# KiCad board Bongo-Cat-Fidget-Toy-panel.kicad_pcb (continued)
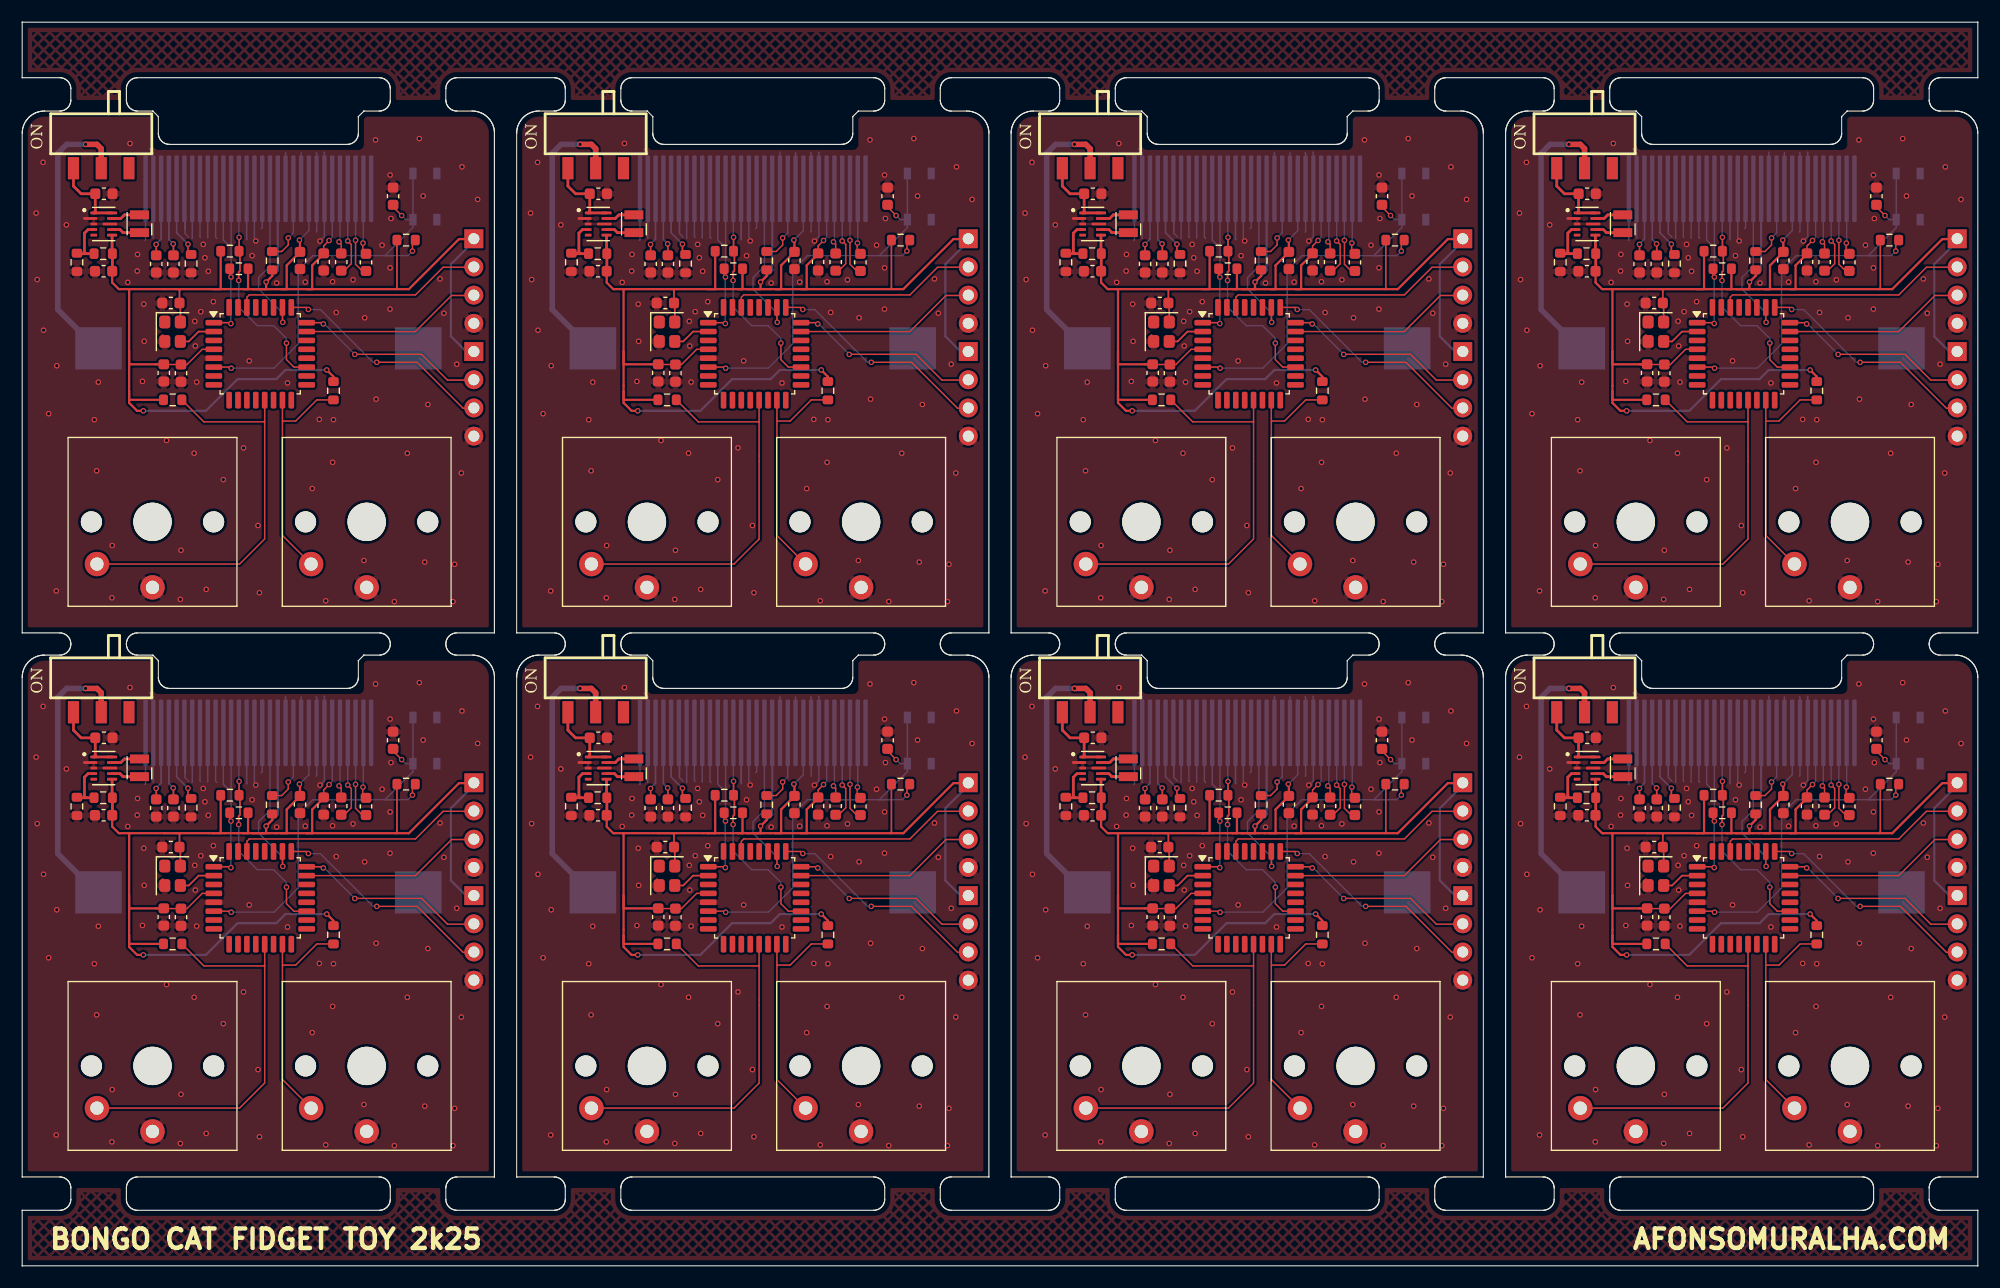
[diagram p0: board, top side]
## Nets
Board_0-3V3: C2#2.1 C3#7.1 C4.1 C6.1 C10#3.2 C11#6.2 J1.6 J1.9 J1.13 J2#7.1 J3#6.1 R1#6.1 R2.1 R6#7.1 R8#2.1 R12.2 R13#4.2 R101#3.2 U1#3.4 U101#6.6 Y1#7.4
Board_0-/BS1: J1.11 R101#3.1
Board_0-/OLED_RST: J1.14 U1#3.26
Board_0-/RST: C5#2.1 R8#2.2 SW3.3 SW3.4 U1#3.6
Board_0-/SCL: J1.18 R13#4.1 U1#3.19
Board_0-/SDA: J1.19 J1.20 R12.1 U1#3.1
Board_0-/SW1: R1#6.2 SW1.2 U1#3.13
Board_0-/SW2: R2.2 SW2#6.2 U1#3.15
Board_0-/SWCLK: J2#7.3 U1#3.25
Board_0-/SWDIO: J2#7.2 U1#3.24
Board_0-/UART_RX: J3#6.3 U1#3.23
Board_0-/UART_TX: J3#6.2 U1#3.30
Board_0-/XTAL_IN: U1#3.2 Y1#7.3
Board_0-GND: BT1#4.2 C1#7.2 C2#2.2 C3#7.2 C4.2 C5#2.2 C6.2 C10#3.1 C11#6.1 C12#5.1 C13#5.1 J1.7 J1.8 J1.10 J1.12 J1.15 J1.16 J1.17 J1.21 J1.22 J1.23 J1.24 J1.25 J1.29 J1.30 J2#7.4 J3#6.4 R4#6.2 R11#3.1 SW1.1 SW2#6.1 SW3.1 SW3.2 U1#3.5 U101#6.2 U101#6.3 U101#6.8 Y1#7.2
Board_0-Net-(BT1-+): BT1#4.1 SW5#2.2
Board_0-Net-(J1-Pin_2): C9#2.2 J1.2
Board_0-Net-(J1-Pin_3): C9#2.1 J1.3
Board_0-Net-(J1-Pin_4): C8.2 J1.4
Board_0-Net-(J1-Pin_5): C8.1 J1.5
Board_0-Net-(J1-Pin_26): J1.26 R11#3.2
Board_0-Net-(J1-Pin_27): C12#5.2 J1.27
Board_0-Net-(J1-Pin_28): C13#5.2 J1.28
Board_0-Net-(SW5-C): C1#7.1 SW5#2.1 U101#6.1 U101#6.10
Board_0-Net-(U101-FB): R4#6.1 R6#7.2 U101#6.4
Board_0-Net-(U101-L1): L102#3.1 U101#6.9
Board_0-Net-(U101-L2): L102#3.2 U101#6.7
Board_0-unconnected-(J1-Pin_1-Pad1): J1.1
Board_0-unconnected-(SW5-A-Pad3): SW5#2.3
Board_0-unconnected-(U1-PA0-Pad7): U1#3.7
Board_0-unconnected-(U1-PA1-Pad8): U1#3.8
Board_0-unconnected-(U1-PA2-Pad9): U1#3.9
Board_0-unconnected-(U1-PA3-Pad10): U1#3.10
Board_0-unconnected-(U1-PA4-Pad11): U1#3.11
Board_0-unconnected-(U1-PA5-Pad12): U1#3.12
Board_0-unconnected-(U1-PA7-Pad14): U1#3.14
Board_0-unconnected-(U1-PA8-Pad18): U1#3.18
Board_0-unconnected-(U1-PA10/NC-Pad21): U1#3.21
Board_0-unconnected-(U1-PA11/PA9-Pad22): U1#3.22
Board_0-unconnected-(U1-PB1-Pad16): U1#3.16
Board_0-unconnected-(U1-PB2-Pad17): U1#3.17
Board_0-unconnected-(U1-PB3-Pad27): U1#3.27
Board_0-unconnected-(U1-PB4-Pad28): U1#3.28
Board_0-unconnected-(U1-PB5-Pad29): U1#3.29
Board_0-unconnected-(U1-PB7-Pad31): U1#3.31
Board_0-unconnected-(U1-PB8-Pad32): U1#3.32
Board_0-unconnected-(U1-PC6-Pad20): U1#3.20
Board_0-unconnected-(U1-PC15-Pad3): U1#3.3
Board_0-unconnected-(U101-PG-Pad5): U101#6.5
Board_0-unconnected-(Y1-Pad1): Y1#7.1
Board_1-3V3: C2#7.1 C3#3.1 C4#7.1 C6#2.1 C10#2.2 C11#4.2 J1#6.6 J1#6.9 J1#6.13 J2#4.1 J3#7.1 R1#5.1 R2#4.1 R6#3.1 R8#7.1 R12#7.2 R13#8.2 R101#5.2 U1#6.4 U101#4.6 Y1#5.4
Board_1-/BS1: J1#6.11 R101#5.1
Board_1-/OLED_RST: J1#6.14 U1#6.26
Board_1-/RST: C5#4.1 R8#7.2 SW3#4.3 SW3#4.4 U1#6.6
Board_1-/SCL: J1#6.18 R13#8.1 U1#6.19
Board_1-/SDA: J1#6.19 J1#6.20 R12#7.1 U1#6.1
Board_1-/SW1: R1#5.2 SW1#5.2 U1#6.13
Board_1-/SW2: R2#4.2 SW2.2 U1#6.15
Board_1-/SWCLK: J2#4.3 U1#6.25
Board_1-/SWDIO: J2#4.2 U1#6.24
Board_1-/UART_RX: J3#7.3 U1#6.23
Board_1-/UART_TX: J3#7.2 U1#6.30
Board_1-/XTAL_IN: U1#6.2 Y1#5.3
Board_1-GND: BT1#8.2 C1#8.2 C2#7.2 C3#3.2 C4#7.2 C5#4.2 C6#2.2 C10#2.1 C11#4.1 C12#7.1 C13#2.1 J1#6.7 J1#6.8 J1#6.10 J1#6.12 J1#6.15 J1#6.16 J1#6.17 J1#6.21 J1#6.22 J1#6.23 J1#6.24 J1#6.25 J1#6.29 J1#6.30 J2#4.4 J3#7.4 R4#7.2 R11#7.1 SW1#5.1 SW2.1 SW3#4.1 SW3#4.2 U1#6.5 U101#4.2 U101#4.3 U101#4.8 Y1#5.2
Board_1-Net-(BT1-+): BT1#8.1 SW5#4.2
Board_1-Net-(J1-Pin_2): C9#7.2 J1#6.2
Board_1-Net-(J1-Pin_3): C9#7.1 J1#6.3
Board_1-Net-(J1-Pin_4): C8#7.2 J1#6.4
Board_1-Net-(J1-Pin_5): C8#7.1 J1#6.5
Board_1-Net-(J1-Pin_26): J1#6.26 R11#7.2
Board_1-Net-(J1-Pin_27): C12#7.2 J1#6.27
Board_1-Net-(J1-Pin_28): C13#2.2 J1#6.28
Board_1-Net-(SW5-C): C1#8.1 SW5#4.1 U101#4.1 U101#4.10
Board_1-Net-(U101-FB): R4#7.1 R6#3.2 U101#4.4
Board_1-Net-(U101-L1): L102#4.1 U101#4.9
Board_1-Net-(U101-L2): L102#4.2 U101#4.7
Board_1-unconnected-(J1-Pin_1-Pad1): J1#6.1
Board_1-unconnected-(SW5-A-Pad3): SW5#4.3
Board_1-unconnected-(U1-PA0-Pad7): U1#6.7
Board_1-unconnected-(U1-PA1-Pad8): U1#6.8
Board_1-unconnected-(U1-PA2-Pad9): U1#6.9
Board_1-unconnected-(U1-PA3-Pad10): U1#6.10
Board_1-unconnected-(U1-PA4-Pad11): U1#6.11
Board_1-unconnected-(U1-PA5-Pad12): U1#6.12
Board_1-unconnected-(U1-PA7-Pad14): U1#6.14
Board_1-unconnected-(U1-PA8-Pad18): U1#6.18
Board_1-unconnected-(U1-PA10/NC-Pad21): U1#6.21
Board_1-unconnected-(U1-PA11/PA9-Pad22): U1#6.22
Board_1-unconnected-(U1-PB1-Pad16): U1#6.16
Board_1-unconnected-(U1-PB2-Pad17): U1#6.17
Board_1-unconnected-(U1-PB3-Pad27): U1#6.27
Board_1-unconnected-(U1-PB4-Pad28): U1#6.28
Board_1-unconnected-(U1-PB5-Pad29): U1#6.29
Board_1-unconnected-(U1-PB7-Pad31): U1#6.31
Board_1-unconnected-(U1-PB8-Pad32): U1#6.32
Board_1-unconnected-(U1-PC6-Pad20): U1#6.20
Board_1-unconnected-(U1-PC15-Pad3): U1#6.3
Board_1-unconnected-(U101-PG-Pad5): U101#4.5
Board_1-unconnected-(Y1-Pad1): Y1#5.1
Board_2-3V3: C2.1 C3#8.1 C4#3.1 C6#7.1 C10#7.2 C11#5.2 J1#7.6 J1#7.9 J1#7.13 J2#2.1 J3#2.1 R1#4.1 R2#5.1 R6#2.1 R8.1 R12#5.2 R13#5.2 R101#2.2 U1#5.4 U101#8.6 Y1#4.4
Board_2-/BS1: J1#7.11 R101#2.1
Board_2-/OLED_RST: J1#7.14 U1#5.26
Board_2-/RST: C5#5.1 R8.2 SW3#7.3 SW3#7.4 U1#5.6
Board_2-/SCL: J1#7.18 R13#5.1 U1#5.19
Board_2-/SDA: J1#7.19 J1#7.20 R12#5.1 U1#5.1
Board_2-/SW1: R1#4.2 SW1#7.2 U1#5.13
Board_2-/SW2: R2#5.2 SW2#7.2 U1#5.15
Board_2-/SWCLK: J2#2.3 U1#5.25
Board_2-/SWDIO: J2#2.2 U1#5.24
Board_2-/UART_RX: J3#2.3 U1#5.23
Board_2-/UART_TX: J3#2.2 U1#5.30
Board_2-/XTAL_IN: U1#5.2 Y1#4.3
Board_2-GND: BT1#3.2 C1#3.2 C2.2 C3#8.2 C4#3.2 C5#5.2 C6#7.2 C10#7.1 C11#5.1 C12.1 C13#8.1 J1#7.7 J1#7.8 J1#7.10 J1#7.12 J1#7.15 J1#7.16 J1#7.17 J1#7.21 J1#7.22 J1#7.23 J1#7.24 J1#7.25 J1#7.29 J1#7.30 J2#2.4 J3#2.4 R4#3.2 R11#6.1 SW1#7.1 SW2#7.1 SW3#7.1 SW3#7.2 U1#5.5 U101#8.2 U101#8.3 U101#8.8 Y1#4.2
Board_2-Net-(BT1-+): BT1#3.1 SW5.2
Board_2-Net-(J1-Pin_2): C9.2 J1#7.2
Board_2-Net-(J1-Pin_3): C9.1 J1#7.3
Board_2-Net-(J1-Pin_4): C8#2.2 J1#7.4
Board_2-Net-(J1-Pin_5): C8#2.1 J1#7.5
Board_2-Net-(J1-Pin_26): J1#7.26 R11#6.2
Board_2-Net-(J1-Pin_27): C12.2 J1#7.27
Board_2-Net-(J1-Pin_28): C13#8.2 J1#7.28
Board_2-Net-(SW5-C): C1#3.1 SW5.1 U101#8.1 U101#8.10
Board_2-Net-(U101-FB): R4#3.1 R6#2.2 U101#8.4
Board_2-Net-(U101-L1): L102#8.1 U101#8.9
Board_2-Net-(U101-L2): L102#8.2 U101#8.7
Board_2-unconnected-(J1-Pin_1-Pad1): J1#7.1
Board_2-unconnected-(SW5-A-Pad3): SW5.3
Board_2-unconnected-(U1-PA0-Pad7): U1#5.7
Board_2-unconnected-(U1-PA1-Pad8): U1#5.8
Board_2-unconnected-(U1-PA2-Pad9): U1#5.9
Board_2-unconnected-(U1-PA3-Pad10): U1#5.10
Board_2-unconnected-(U1-PA4-Pad11): U1#5.11
Board_2-unconnected-(U1-PA5-Pad12): U1#5.12
Board_2-unconnected-(U1-PA7-Pad14): U1#5.14
Board_2-unconnected-(U1-PA8-Pad18): U1#5.18
Board_2-unconnected-(U1-PA10/NC-Pad21): U1#5.21
Board_2-unconnected-(U1-PA11/PA9-Pad22): U1#5.22
Board_2-unconnected-(U1-PB1-Pad16): U1#5.16
Board_2-unconnected-(U1-PB2-Pad17): U1#5.17
Board_2-unconnected-(U1-PB3-Pad27): U1#5.27
Board_2-unconnected-(U1-PB4-Pad28): U1#5.28
Board_2-unconnected-(U1-PB5-Pad29): U1#5.29
Board_2-unconnected-(U1-PB7-Pad31): U1#5.31
Board_2-unconnected-(U1-PB8-Pad32): U1#5.32
Board_2-unconnected-(U1-PC6-Pad20): U1#5.20
Board_2-unconnected-(U1-PC15-Pad3): U1#5.3
Board_2-unconnected-(U101-PG-Pad5): U101#8.5
Board_2-unconnected-(Y1-Pad1): Y1#4.1
Board_3-3V3: C2#8.1 C3#5.1 C4#2.1 C6#8.1 C10#8.2 C11.2 J1#5.6 J1#5.9 J1#5.13 J2.1 J3#8.1 R1#2.1 R2#3.1 R6#4.1 R8#4.1 R12#3.2 R13#7.2 R101#4.2 U1#4.4 U101.6 Y1#6.4
Board_3-/BS1: J1#5.11 R101#4.1
Board_3-/OLED_RST: J1#5.14 U1#4.26
Board_3-/RST: C5#8.1 R8#4.2 SW3#2.3 SW3#2.4 U1#4.6
Board_3-/SCL: J1#5.18 R13#7.1 U1#4.19
Board_3-/SDA: J1#5.19 J1#5.20 R12#3.1 U1#4.1
Board_3-/SW1: R1#2.2 SW1#6.2 U1#4.13
Board_3-/SW2: R2#3.2 SW2#3.2 U1#4.15
Board_3-/SWCLK: J2.3 U1#4.25
Board_3-/SWDIO: J2.2 U1#4.24
Board_3-/UART_RX: J3#8.3 U1#4.23
Board_3-/UART_TX: J3#8.2 U1#4.30
Board_3-/XTAL_IN: U1#4.2 Y1#6.3
Board_3-GND: BT1#5.2 C1#4.2 C2#8.2 C3#5.2 C4#2.2 C5#8.2 C6#8.2 C10#8.1 C11.1 C12#6.1 C13.1 J1#5.7 J1#5.8 J1#5.10 J1#5.12 J1#5.15 J1#5.16 J1#5.17 J1#5.21 J1#5.22 J1#5.23 J1#5.24 J1#5.25 J1#5.29 J1#5.30 J2.4 J3#8.4 R4#2.2 R11#2.1 SW1#6.1 SW2#3.1 SW3#2.1 SW3#2.2 U1#4.5 U101.2 U101.3 U101.8 Y1#6.2
Board_3-Net-(BT1-+): BT1#5.1 SW5#5.2
Board_3-Net-(J1-Pin_2): C9#4.2 J1#5.2
Board_3-Net-(J1-Pin_3): C9#4.1 J1#5.3
Board_3-Net-(J1-Pin_4): C8#8.2 J1#5.4
Board_3-Net-(J1-Pin_5): C8#8.1 J1#5.5
Board_3-Net-(J1-Pin_26): J1#5.26 R11#2.2
Board_3-Net-(J1-Pin_27): C12#6.2 J1#5.27
Board_3-Net-(J1-Pin_28): C13.2 J1#5.28
Board_3-Net-(SW5-C): C1#4.1 SW5#5.1 U101.1 U101.10
Board_3-Net-(U101-FB): R4#2.1 R6#4.2 U101.4
Board_3-Net-(U101-L1): L102#5.1 U101.9
Board_3-Net-(U101-L2): L102#5.2 U101.7
Board_3-unconnected-(J1-Pin_1-Pad1): J1#5.1
Board_3-unconnected-(SW5-A-Pad3): SW5#5.3
Board_3-unconnected-(U1-PA0-Pad7): U1#4.7
Board_3-unconnected-(U1-PA1-Pad8): U1#4.8
Board_3-unconnected-(U1-PA2-Pad9): U1#4.9
Board_3-unconnected-(U1-PA3-Pad10): U1#4.10
Board_3-unconnected-(U1-PA4-Pad11): U1#4.11
Board_3-unconnected-(U1-PA5-Pad12): U1#4.12
Board_3-unconnected-(U1-PA7-Pad14): U1#4.14
Board_3-unconnected-(U1-PA8-Pad18): U1#4.18
Board_3-unconnected-(U1-PA10/NC-Pad21): U1#4.21
Board_3-unconnected-(U1-PA11/PA9-Pad22): U1#4.22
Board_3-unconnected-(U1-PB1-Pad16): U1#4.16
Board_3-unconnected-(U1-PB2-Pad17): U1#4.17
Board_3-unconnected-(U1-PB3-Pad27): U1#4.27
Board_3-unconnected-(U1-PB4-Pad28): U1#4.28
Board_3-unconnected-(U1-PB5-Pad29): U1#4.29
Board_3-unconnected-(U1-PB7-Pad31): U1#4.31
Board_3-unconnected-(U1-PB8-Pad32): U1#4.32
Board_3-unconnected-(U1-PC6-Pad20): U1#4.20
Board_3-unconnected-(U1-PC15-Pad3): U1#4.3
Board_3-unconnected-(U101-PG-Pad5): U101.5
Board_3-unconnected-(Y1-Pad1): Y1#6.1
Board_4-3V3: C2#3.1 C3#2.1 C4#4.1 C6#3.1 C10#4.2 C11#3.2 J1#3.6 J1#3.9 J1#3.13 J2#8.1 J3#5.1 R1#3.1 R2#8.1 R6#6.1 R8#5.1 R12#6.2 R13#2.2 R101.2 U1#2.4 U101#2.6 Y1#8.4
Board_4-/BS1: J1#3.11 R101.1
Board_4-/OLED_RST: J1#3.14 U1#2.26
Board_4-/RST: C5.1 R8#5.2 SW3#5.3 SW3#5.4 U1#2.6
Board_4-/SCL: J1#3.18 R13#2.1 U1#2.19
Board_4-/SDA: J1#3.19 J1#3.20 R12#6.1 U1#2.1
Board_4-/SW1: R1#3.2 SW1#8.2 U1#2.13
Board_4-/SW2: R2#8.2 SW2#2.2 U1#2.15
Board_4-/SWCLK: J2#8.3 U1#2.25
Board_4-/SWDIO: J2#8.2 U1#2.24
Board_4-/UART_RX: J3#5.3 U1#2.23
Board_4-/UART_TX: J3#5.2 U1#2.30
Board_4-/XTAL_IN: U1#2.2 Y1#8.3
Board_4-GND: BT1#7.2 C1#6.2 C2#3.2 C3#2.2 C4#4.2 C5.2 C6#3.2 C10#4.1 C11#3.1 C12#2.1 C13#6.1 J1#3.7 J1#3.8 J1#3.10 J1#3.12 J1#3.15 J1#3.16 J1#3.17 J1#3.21 J1#3.22 J1#3.23 J1#3.24 J1#3.25 J1#3.29 J1#3.30 J2#8.4 J3#5.4 R4.2 R11.1 SW1#8.1 SW2#2.1 SW3#5.1 SW3#5.2 U1#2.5 U101#2.2 U101#2.3 U101#2.8 Y1#8.2
Board_4-Net-(BT1-+): BT1#7.1 SW5#7.2
Board_4-Net-(J1-Pin_2): C9#6.2 J1#3.2
Board_4-Net-(J1-Pin_3): C9#6.1 J1#3.3
Board_4-Net-(J1-Pin_4): C8#3.2 J1#3.4
Board_4-Net-(J1-Pin_5): C8#3.1 J1#3.5
Board_4-Net-(J1-Pin_26): J1#3.26 R11.2
Board_4-Net-(J1-Pin_27): C12#2.2 J1#3.27
Board_4-Net-(J1-Pin_28): C13#6.2 J1#3.28
Board_4-Net-(SW5-C): C1#6.1 SW5#7.1 U101#2.1 U101#2.10
Board_4-Net-(U101-FB): R4.1 R6#6.2 U101#2.4
Board_4-Net-(U101-L1): L102#6.1 U101#2.9
Board_4-Net-(U101-L2): L102#6.2 U101#2.7
Board_4-unconnected-(J1-Pin_1-Pad1): J1#3.1
Board_4-unconnected-(SW5-A-Pad3): SW5#7.3
Board_4-unconnected-(U1-PA0-Pad7): U1#2.7
Board_4-unconnected-(U1-PA1-Pad8): U1#2.8
Board_4-unconnected-(U1-PA2-Pad9): U1#2.9
Board_4-unconnected-(U1-PA3-Pad10): U1#2.10
Board_4-unconnected-(U1-PA4-Pad11): U1#2.11
Board_4-unconnected-(U1-PA5-Pad12): U1#2.12
Board_4-unconnected-(U1-PA7-Pad14): U1#2.14
Board_4-unconnected-(U1-PA8-Pad18): U1#2.18
Board_4-unconnected-(U1-PA10/NC-Pad21): U1#2.21
Board_4-unconnected-(U1-PA11/PA9-Pad22): U1#2.22
Board_4-unconnected-(U1-PB1-Pad16): U1#2.16
Board_4-unconnected-(U1-PB2-Pad17): U1#2.17
Board_4-unconnected-(U1-PB3-Pad27): U1#2.27
Board_4-unconnected-(U1-PB4-Pad28): U1#2.28
Board_4-unconnected-(U1-PB5-Pad29): U1#2.29
Board_4-unconnected-(U1-PB7-Pad31): U1#2.31
Board_4-unconnected-(U1-PB8-Pad32): U1#2.32
Board_4-unconnected-(U1-PC6-Pad20): U1#2.20
Board_4-unconnected-(U1-PC15-Pad3): U1#2.3
Board_4-unconnected-(U101-PG-Pad5): U101#2.5
Board_4-unconnected-(Y1-Pad1): Y1#8.1
Board_5-3V3: C2#5.1 C3.1 C4#5.1 C6#4.1 C10.2 C11#8.2 J1#4.6 J1#4.9 J1#4.13 J2#6.1 J3.1 R1#8.1 R2#2.1 R6#8.1 R8#8.1 R12#2.2 R13.2 R101#7.2 U1#7.4 U101#5.6 Y1.4
Board_5-/BS1: J1#4.11 R101#7.1
Board_5-/OLED_RST: J1#4.14 U1#7.26
Board_5-/RST: C5#3.1 R8#8.2 SW3#3.3 SW3#3.4 U1#7.6
Board_5-/SCL: J1#4.18 R13.1 U1#7.19
Board_5-/SDA: J1#4.19 J1#4.20 R12#2.1 U1#7.1
Board_5-/SW1: R1#8.2 SW1#4.2 U1#7.13
Board_5-/SW2: R2#2.2 SW2#5.2 U1#7.15
Board_5-/SWCLK: J2#6.3 U1#7.25
Board_5-/SWDIO: J2#6.2 U1#7.24
Board_5-/UART_RX: J3.3 U1#7.23
Board_5-/UART_TX: J3.2 U1#7.30
Board_5-/XTAL_IN: U1#7.2 Y1.3
Board_5-GND: BT1#6.2 C1#2.2 C2#5.2 C3.2 C4#5.2 C5#3.2 C6#4.2 C10.1 C11#8.1 C12#8.1 C13#3.1 J1#4.7 J1#4.8 J1#4.10 J1#4.12 J1#4.15 J1#4.16 J1#4.17 J1#4.21 J1#4.22 J1#4.23 J1#4.24 J1#4.25 J1#4.29 J1#4.30 J2#6.4 J3.4 R4#4.2 R11#4.1 SW1#4.1 SW2#5.1 SW3#3.1 SW3#3.2 U1#7.5 U101#5.2 U101#5.3 U101#5.8 Y1.2
Board_5-Net-(BT1-+): BT1#6.1 SW5#6.2
Board_5-Net-(J1-Pin_2): C9#3.2 J1#4.2
Board_5-Net-(J1-Pin_3): C9#3.1 J1#4.3
Board_5-Net-(J1-Pin_4): C8#4.2 J1#4.4
Board_5-Net-(J1-Pin_5): C8#4.1 J1#4.5
Board_5-Net-(J1-Pin_26): J1#4.26 R11#4.2
Board_5-Net-(J1-Pin_27): C12#8.2 J1#4.27
Board_5-Net-(J1-Pin_28): C13#3.2 J1#4.28
Board_5-Net-(SW5-C): C1#2.1 SW5#6.1 U101#5.1 U101#5.10
Board_5-Net-(U101-FB): R4#4.1 R6#8.2 U101#5.4
Board_5-Net-(U101-L1): L102#7.1 U101#5.9
Board_5-Net-(U101-L2): L102#7.2 U101#5.7
Board_5-unconnected-(J1-Pin_1-Pad1): J1#4.1
Board_5-unconnected-(SW5-A-Pad3): SW5#6.3
Board_5-unconnected-(U1-PA0-Pad7): U1#7.7
Board_5-unconnected-(U1-PA1-Pad8): U1#7.8
Board_5-unconnected-(U1-PA2-Pad9): U1#7.9
Board_5-unconnected-(U1-PA3-Pad10): U1#7.10
Board_5-unconnected-(U1-PA4-Pad11): U1#7.11
Board_5-unconnected-(U1-PA5-Pad12): U1#7.12
Board_5-unconnected-(U1-PA7-Pad14): U1#7.14
Board_5-unconnected-(U1-PA8-Pad18): U1#7.18
Board_5-unconnected-(U1-PA10/NC-Pad21): U1#7.21
Board_5-unconnected-(U1-PA11/PA9-Pad22): U1#7.22
Board_5-unconnected-(U1-PB1-Pad16): U1#7.16
Board_5-unconnected-(U1-PB2-Pad17): U1#7.17
Board_5-unconnected-(U1-PB3-Pad27): U1#7.27
Board_5-unconnected-(U1-PB4-Pad28): U1#7.28
Board_5-unconnected-(U1-PB5-Pad29): U1#7.29
Board_5-unconnected-(U1-PB7-Pad31): U1#7.31
Board_5-unconnected-(U1-PB8-Pad32): U1#7.32
Board_5-unconnected-(U1-PC6-Pad20): U1#7.20
Board_5-unconnected-(U1-PC15-Pad3): U1#7.3
Board_5-unconnected-(U101-PG-Pad5): U101#5.5
Board_5-unconnected-(Y1-Pad1): Y1.1
Board_6-3V3: C2#4.1 C3#6.1 C4#8.1 C6#6.1 C10#5.2 C11#2.2 J1#2.6 J1#2.9 J1#2.13 J2#3.1 J3#4.1 R1#7.1 R2#7.1 R6.1 R8#3.1 R12#8.2 R13#6.2 R101#8.2 U1#8.4 U101#7.6 Y1#2.4
Board_6-/BS1: J1#2.11 R101#8.1
Board_6-/OLED_RST: J1#2.14 U1#8.26
Board_6-/RST: C5#7.1 R8#3.2 SW3#8.3 SW3#8.4 U1#8.6
Board_6-/SCL: J1#2.18 R13#6.1 U1#8.19
Board_6-/SDA: J1#2.19 J1#2.20 R12#8.1 U1#8.1
Board_6-/SW1: R1#7.2 SW1#3.2 U1#8.13
Board_6-/SW2: R2#7.2 SW2#8.2 U1#8.15
Board_6-/SWCLK: J2#3.3 U1#8.25
Board_6-/SWDIO: J2#3.2 U1#8.24
Board_6-/UART_RX: J3#4.3 U1#8.23
Board_6-/UART_TX: J3#4.2 U1#8.30
Board_6-/XTAL_IN: U1#8.2 Y1#2.3
Board_6-GND: BT1#2.2 C1#5.2 C2#4.2 C3#6.2 C4#8.2 C5#7.2 C6#6.2 C10#5.1 C11#2.1 C12#3.1 C13#4.1 J1#2.7 J1#2.8 J1#2.10 J1#2.12 J1#2.15 J1#2.16 J1#2.17 J1#2.21 J1#2.22 J1#2.23 J1#2.24 J1#2.25 J1#2.29 J1#2.30 J2#3.4 J3#4.4 R4#5.2 R11#8.1 SW1#3.1 SW2#8.1 SW3#8.1 SW3#8.2 U1#8.5 U101#7.2 U101#7.3 U101#7.8 Y1#2.2
Board_6-Net-(BT1-+): BT1#2.1 SW5#3.2
Board_6-Net-(J1-Pin_2): C9#5.2 J1#2.2
Board_6-Net-(J1-Pin_3): C9#5.1 J1#2.3
Board_6-Net-(J1-Pin_4): C8#5.2 J1#2.4
Board_6-Net-(J1-Pin_5): C8#5.1 J1#2.5
Board_6-Net-(J1-Pin_26): J1#2.26 R11#8.2
Board_6-Net-(J1-Pin_27): C12#3.2 J1#2.27
Board_6-Net-(J1-Pin_28): C13#4.2 J1#2.28
Board_6-Net-(SW5-C): C1#5.1 SW5#3.1 U101#7.1 U101#7.10
Board_6-Net-(U101-FB): R4#5.1 R6.2 U101#7.4
Board_6-Net-(U101-L1): L102.1 U101#7.9
Board_6-Net-(U101-L2): L102.2 U101#7.7
Board_6-unconnected-(J1-Pin_1-Pad1): J1#2.1
Board_6-unconnected-(SW5-A-Pad3): SW5#3.3
Board_6-unconnected-(U1-PA0-Pad7): U1#8.7
Board_6-unconnected-(U1-PA1-Pad8): U1#8.8
Board_6-unconnected-(U1-PA2-Pad9): U1#8.9
Board_6-unconnected-(U1-PA3-Pad10): U1#8.10
Board_6-unconnected-(U1-PA4-Pad11): U1#8.11
Board_6-unconnected-(U1-PA5-Pad12): U1#8.12
Board_6-unconnected-(U1-PA7-Pad14): U1#8.14
Board_6-unconnected-(U1-PA8-Pad18): U1#8.18
Board_6-unconnected-(U1-PA10/NC-Pad21): U1#8.21
Board_6-unconnected-(U1-PA11/PA9-Pad22): U1#8.22
Board_6-unconnected-(U1-PB1-Pad16): U1#8.16
Board_6-unconnected-(U1-PB2-Pad17): U1#8.17
Board_6-unconnected-(U1-PB3-Pad27): U1#8.27
Board_6-unconnected-(U1-PB4-Pad28): U1#8.28
Board_6-unconnected-(U1-PB5-Pad29): U1#8.29
Board_6-unconnected-(U1-PB7-Pad31): U1#8.31
Board_6-unconnected-(U1-PB8-Pad32): U1#8.32
Board_6-unconnected-(U1-PC6-Pad20): U1#8.20
Board_6-unconnected-(U1-PC15-Pad3): U1#8.3
Board_6-unconnected-(U101-PG-Pad5): U101#7.5
Board_6-unconnected-(Y1-Pad1): Y1#2.1
Board_7-3V3: C2#6.1 C3#4.1 C4#6.1 C6#5.1 C10#6.2 C11#7.2 J1#8.6 J1#8.9 J1#8.13 J2#5.1 J3#3.1 R1.1 R2#6.1 R6#5.1 R8#6.1 R12#4.2 R13#3.2 R101#6.2 U1.4 U101#3.6 Y1#3.4
Board_7-/BS1: J1#8.11 R101#6.1
Board_7-/OLED_RST: J1#8.14 U1.26
Board_7-/RST: C5#6.1 R8#6.2 SW3#6.3 SW3#6.4 U1.6
Board_7-/SCL: J1#8.18 R13#3.1 U1.19
Board_7-/SDA: J1#8.19 J1#8.20 R12#4.1 U1.1
Board_7-/SW1: R1.2 SW1#2.2 U1.13
Board_7-/SW2: R2#6.2 SW2#4.2 U1.15
Board_7-/SWCLK: J2#5.3 U1.25
Board_7-/SWDIO: J2#5.2 U1.24
Board_7-/UART_RX: J3#3.3 U1.23
Board_7-/UART_TX: J3#3.2 U1.30
Board_7-/XTAL_IN: U1.2 Y1#3.3
Board_7-GND: BT1.2 C1.2 C2#6.2 C3#4.2 C4#6.2 C5#6.2 C6#5.2 C10#6.1 C11#7.1 C12#4.1 C13#7.1 J1#8.7 J1#8.8 J1#8.10 J1#8.12 J1#8.15 J1#8.16 J1#8.17 J1#8.21 J1#8.22 J1#8.23 J1#8.24 J1#8.25 J1#8.29 J1#8.30 J2#5.4 J3#3.4 R4#8.2 R11#5.1 SW1#2.1 SW2#4.1 SW3#6.1 SW3#6.2 U1.5 U101#3.2 U101#3.3 U101#3.8 Y1#3.2
Board_7-Net-(BT1-+): BT1.1 SW5#8.2
Board_7-Net-(J1-Pin_2): C9#8.2 J1#8.2
Board_7-Net-(J1-Pin_3): C9#8.1 J1#8.3
Board_7-Net-(J1-Pin_4): C8#6.2 J1#8.4
Board_7-Net-(J1-Pin_5): C8#6.1 J1#8.5
Board_7-Net-(J1-Pin_26): J1#8.26 R11#5.2
Board_7-Net-(J1-Pin_27): C12#4.2 J1#8.27
Board_7-Net-(J1-Pin_28): C13#7.2 J1#8.28
Board_7-Net-(SW5-C): C1.1 SW5#8.1 U101#3.1 U101#3.10
Board_7-Net-(U101-FB): R4#8.1 R6#5.2 U101#3.4
Board_7-Net-(U101-L1): L102#2.1 U101#3.9
Board_7-Net-(U101-L2): L102#2.2 U101#3.7
Board_7-unconnected-(J1-Pin_1-Pad1): J1#8.1
Board_7-unconnected-(SW5-A-Pad3): SW5#8.3
Board_7-unconnected-(U1-PA0-Pad7): U1.7
Board_7-unconnected-(U1-PA1-Pad8): U1.8
Board_7-unconnected-(U1-PA2-Pad9): U1.9
Board_7-unconnected-(U1-PA3-Pad10): U1.10
Board_7-unconnected-(U1-PA4-Pad11): U1.11
Board_7-unconnected-(U1-PA5-Pad12): U1.12
Board_7-unconnected-(U1-PA7-Pad14): U1.14
Board_7-unconnected-(U1-PA8-Pad18): U1.18
Board_7-unconnected-(U1-PA10/NC-Pad21): U1.21
Board_7-unconnected-(U1-PA11/PA9-Pad22): U1.22
Board_7-unconnected-(U1-PB1-Pad16): U1.16
Board_7-unconnected-(U1-PB2-Pad17): U1.17
Board_7-unconnected-(U1-PB3-Pad27): U1.27
Board_7-unconnected-(U1-PB4-Pad28): U1.28
Board_7-unconnected-(U1-PB5-Pad29): U1.29
Board_7-unconnected-(U1-PB7-Pad31): U1.31
Board_7-unconnected-(U1-PB8-Pad32): U1.32
Board_7-unconnected-(U1-PC6-Pad20): U1.20
Board_7-unconnected-(U1-PC15-Pad3): U1.3
Board_7-unconnected-(U101-PG-Pad5): U101#3.5
Board_7-unconnected-(Y1-Pad1): Y1#3.1

## Via types
v1: diameter 0.5, hole 0.3, Top to Bottom, 816 vias

## Routing (per net, layer and track width the routed paths; a pad name or vN(x,y) marks a point on that pad's centre or on a via; arc(x,y) is an arc through that point)
Board_0-3V3: length 142.2
  Top w0.127: U1#3.4 16.2,82.54 14.83,81.17 C3#7.1 12.14,81.17 12.12,81.19 12,81.19 ; v1(27.62,92.34) 27.13,91.85 C10#3.2 27.13,90.95 ; 13,77.96 13.03,77.99 ; 34.04,92.38 33.75,92.09
  Top w0.15: 33.65,87.96 33.72,88.04 R8#2.1
  Top w0.152: Y1#7.4 14.23,86.6 14.16,86.68 C6.1 14.16,87.86 14.05,87.96 12.76,87.96
  Top w0.2: 19.91,87.96 20.75,87.96 ; 19.91,87.96 20.33,87.96 R12.2 ; 19.91,87.96 17.18,87.96 ; 20.75,87.96 21.95,87.96 v1(21.95,88.6) 22.5,89.15 R101#3.2 ; 20.75,87.96 23.3,87.96 ; 9.62,82.33 9.62,78.74 ; 9.62,82.33 9.62,81.19 C4.1 ; 9.62,82.33 9.62,87.96 ; v1(27.41,80.68) 28.01,80.08 R2.1 ; v1(24.95,92.38) 25,92.33 C11#6.2 25,91.3 23.8,90.1 23.8,87.96 23.3,87.96 ; R1#6.1 9.63,77.99 9.62,78 9.62,78.74 ; 9.62,78.74 9.62,77.72 10.34,77 v1(10.9,77) ; 17.18,87.96 8.69,87.96 8.1,88.55 C2#2.1 ; 17.18,87.96 17.86,87.96 R13#4.2 ; 25.61,87.96 34.8,87.96 39.31,92.47 40.84,92.47 ; 25.61,87.96 23.3,87.96 ; 25.61,87.96 26.1,87.96 26.1,90.1 27.04,91.04 27.13,90.95
  Top w0.25: U101#6.6 8.09,91.18 R6#7.1 8.11,89.59 C2#2.1 8.08,89.58
  Bottom w0.127: v1(24.95,92.38) 25.8,93.23 25.8,96 ; v1(27.62,92.34) 27.9,92.62 27.9,96
  Bottom w0.2: 40.84,92.47 38.58,90.21 38.58,83.71 39.98,82.31 40.84,82.31 ; v1(27.41,80.68) 23.69,80.68 22.87,79.86 19.39,79.86 16.53,77 v1(10.9,77) ; v1(21.95,88.6) 23,89.65 23,96
Board_0-/BS1: length 5.9
  Top w0.127: v1(23.94,92.57) 23.94,91.94 23.35,91.35 R101#3.1
  Bottom w0.127: 24.4,96 24.4,93.03 v1(23.94,92.57)
Board_0-/OLED_RST: length 13.7
  Top w0.127: v1(23.45,84.98) 23.42,85.01 U1#3.26
  Bottom w0.127: 22.3,96 22.3,90.03 21.28,89 21.28,87.98 23.45,85.8 v1(23.45,84.98)
Board_0-/RST: length 38.6
  Top w0.127: U1#3.6 18.71,80.94 v1(18.81,80.84) ; 35.06,92.38 35.12,92.32 v1(35.12,91.39) ; C5#2.1 33.38,95.36 v1(34.15,94.59)
  Bottom w0.127: 33.21,90.98 34.71,90.98 v1(35.12,91.39) ; 33.21,90.98 26.17,90.98 24.84,89.65 24.84,83.03 22.66,80.85 18.82,80.85 v1(18.81,80.84) ; 33.21,90.98 32.64,90.98 35.17,93.51 SW3.3 ; SW3.3 SW3.4 ; SW3.3 34.51,94.23 v1(34.15,94.59)
Board_0-/SCL: length 19.4
  Top w0.127: v1(19.48,88.74) 19.4,88.82 ; U1#3.19 24.45,80.94 23.78,81.61 v1(23.78,83.1)
  Top w0.152: v1(19.52,92.63) 19.52,91.47 19.59,91.39 19.59,89.62 19.48,89.5 v1(19.48,88.74)
  Bottom w0.127: v1(23.78,83.1) 23.77,83.11 23.77,83.53 22.62,84.68 21.15,84.68 19.48,86.35 v1(19.48,88.74) ; v1(19.52,92.63) 19.5,92.65 19.5,96
  Bottom w0.15: 23.8,83.12 v1(23.78,83.1)
Board_0-/SDA: length 18.3
  Top w0.127: 17.18,84.88 U1#3.1 18.7,84.94 v1(18.78,84.86) ; 18.8,89.97 18.89,90.06
  Top w0.152: R12.1 18.67,89.17 v1(18.79,89.05)
  Bottom w0.127: 18.8,91.95 18.8,89.06 v1(18.79,89.05) ; 18.8,91.95 18.8,96 ; 18.8,91.95 18.53,91.95 18.1,92.38 18.1,96 ; v1(18.78,84.86) 18.78,89.07 18.8,89.09
  Bottom w0.15: v1(18.78,84.86) 18.79,84.85
Board_0-/SW1: length 36.8
  Top w0.127: R1#6.2 16.34,76.01 21.81,76.01 21.82,76 ; SW1.2 19.56,63.2 21.82,65.46 21.82,76 ; 21.82,76 U1#3.13
Board_0-/SW2: length 21.2
  Top w0.127: 23.42,76.05 23.45,76.08 24.61,76.08 26.52,77.99 R2.2 ; 23.42,76.05 23.42,65.78 SW2#6.2 ; 23.42,76.05 U1#3.15
Board_0-/SWCLK: length 20.4
  Top w0.127: v1(31.91,81.37) 35.54,81.37 39.68,77.23 40.84,77.23 ; v1(25.75,86.13) 25.56,86.32 U1#3.25
  Bottom w0.127: v1(25.75,86.13) 25.76,86.12 26.83,86.12 31.58,81.37 v1(31.91,81.37)
Board_0-/SWDIO: length 17.4
  Top w0.127: v1(27.1,84.83) 26.99,84.94 U1#3.24 ; 40.84,79.77 38.27,79.77 35.95,82.09 29.94,82.09 v1(29.93,82.08) ; 25.45,84.96 25.44,84.95
  Bottom w0.127: v1(27.1,84.83) 27.19,84.83 29.93,82.09 v1(29.93,82.08)
Board_0-/UART_RX: length 16.6
  Top w0.127: U1#3.23 35.39,84.14 38.64,87.39 40.84,87.39
Board_0-/UART_TX: length 22.8
  Top w0.127: 40.84,89.93 37.88,89.93 35.39,87.44 20.43,87.44 20.22,87.23 U1#3.30 ; 20.23,86.6 20.23,86.51 20.22,86.5
Board_0-/XTAL_IN: length 3.4
  Top w0.127: 17.22,84.12 U1#3.2
  Top w0.152: Y1#7.3 14.99,83.25 15.88,84.14 U1#3.2
Board_0-GND: length 108.5
  Top w0.127: 12.63,83.83 12.66,83.83
  Top w0.25: 5.6,94.33 U101#6.2 ; 6.5,89.39 6.58,89.31
  Bottom w0.127: 11.8,99.26 11.8,92.57 11.78,92.55 ; 21.5,93.4 21.6,93.5 J1.15 ; 17.4,99.5 17.4,92.63 17.5,92.53 ; 21.6,99.33 21.6,96 ; 14.65,95.95 14.6,96 14.6,99.45 ; 14.65,95.95 14.65,92.98 14.97,92.65 ; 14.65,95.95 14.65,93.25 ; 27.2,96 27.2,92.69 v1(26.8,92.29) ; 16.7,99.4 16.7,92.6 16.67,92.58 ; 26.5,96 26.5,99.51 ; J1.10 25.1,100.25 ; 20.9,99.48 20.9,92.63 20.88,92.6 ; 23.7,96 23.7,99.61 ; 25.1,96 25.1,99.64 ; J1.7 27.2,100.25 27.15,100.3 ; 16,99.43 16,92.68 16.05,92.63 ; J1.29 11.8,100.25 11.45,100.6 ; 11.05,92.35 11.1,92.4 11.1,99.41 ; 15.3,99.58 15.3,92.55 15.33,92.53 ; 26.45,93.1 26.5,93.15 J1.8 26.5,100.2 26.45,100.25 ; J1.12 23.7,100.3
  Bottom w0.15: 20.2,96 20.2,92.45 20.22,92.43 ; 20.2,96 20.23,95.97 ; 20.2,96 20.2,99.43
  vias: v1(1.25,94.81) v1(1.35,88.82) v1(1.88,99.38) v1(1.92,84.26) v1(2.38,76.74) v1(3.11,81.06) v1(3.06,60.78) v1(3.97,93.75) v1(6.49,76.2) v1(6.7,71.6) v1(6.85,79.58) v1(8.1,64.87) v1(8.07,60.16) v1(9.5,88.57) v1(9.7,101.08) v1(10.35,89.59) v1(10.38,91.09) v1(10.82,79.65) v1(10.94,86.61) v1(10.98,83.26) v1(12.99,74.33) v1(14.23,60.02) v1(14.29,64.44) v1(15.53,85.07) v1(15.47,73.18) v1(15.58,82.84) v1(15.7,79.59) v1(16.07,85.93) v1(16.29,91.99) v1(16.44,90.79) v1(16.56,60.92) v1(16.74,89.57) v1(17.2,86.83) v1(18.1,70.8) v1(19.92,73.66) v1(20.43,81.5) v1(20.69,90.97) v1(21.02,92.3) v1(21.22,66.67) v1(21.35,60.62) v1(22.9,88.51) v1(23.88,79.51) v1(25.47,88.6) v1(26.1,70) v1(26.74,76.23) v1(27.32,59.89) v1(27.93,88.63) v1(27.94,72.36) v1(28.01,76.2) v1(28.26,85.86) v1(29.77,88.8) v1(30.75,63.52) v1(30.82,85.38) v1(31.8,101.4) v1(31.85,78.05) v1(32.39,91.92) v1(33.11,98.24) v1(33.11,89.88) v1(33.1,86.16) v1(33.19,94.32) v1(33.49,59.82) v1(34.66,73.18) v1(35.74,101.52) v1(36.08,96.35) v1(36.23,63.38) v1(36.51,77.57) v1(37.6,88.88) v1(37.95,85.79) v1(38.77,59.82) v1(38.91,63.18) v1(39.11,81.2) v1(39.52,71.4) v1(39.58,98.97) v1(40.99,96.04)
Board_0-Net-(BT1-+): length 25.3
  Top w0.5: v1(5.7,101) 6.72,101 7.11,100.62 SW5#2.2
  Bottom w0.5: BT1#4.1 6.69,82.63 3.2,86.12 3.2,100.2 4,101 v1(5.7,101)
Board_0-Net-(J1-Pin_2): length 4.9
  Top w0.127: v1(30.67,92.11) 30.65,92.09 30.65,91.14
  Bottom w0.127: 30.7,96 30.7,92.14 v1(30.67,92.11)
Board_0-Net-(J1-Pin_3): length 7
  Top w0.127: C9#2.1 30.61,89.6 30,90.2 v1(30,92.36)
  Bottom w0.127: 30,96 v1(30,92.36)
Board_0-Net-(J1-Pin_4): length 7.1
  Top w0.127: v1(29.3,92.3) 29.62,91.98 29.62,90.25 29,89.63 C8.2
  Bottom w0.127: v1(29.3,92.3) 29.3,96
Board_0-Net-(J1-Pin_5): length 4.9
  Top w0.127: v1(28.51,92.22) 28.71,92.02 C8.1
  Bottom w0.127: v1(28.51,92.22) 28.6,92.31 28.6,96
Board_0-Net-(J1-Pin_26): length 5.1
  Top w0.15: 14.9,91.29 14.92,91.31 v1(14.92,92.01)
  Bottom w0.15: v1(14.92,92.01) 13.9,93.03 13.9,96
Board_0-Net-(J1-Pin_27): length 5.2
  Top w0.15: C12#5.2 13.61,92.02 v1(13.59,92.04)
  Bottom w0.15: v1(13.59,92.04) 13.2,92.43 13.2,96
Board_0-Net-(J1-Pin_28): length 5.2
  Top w0.15: v1(12.05,91.99) 12.06,91.98 C13#5.2
  Bottom w0.15: v1(12.05,91.99) 12.05,92.03 12.5,92.48 12.5,96
Board_0-Net-(SW5-C): length 7.3
  Top w0.25: SW5#2.1 4.61,97.24 5.3,96.55 6.58,96.55 6.58,94.96 U101#6.1 U101#6.10
Board_0-Net-(U101-FB): length 4.4
  Top w0.25: 5.72,91.16 5.6,91.28 5.6,93 5.92,93.33 U101#6.4 ; 5.72,91.16 R6#7.2 ; 5.72,91.16 4.97,91.16 R4#6.1
Board_0-Net-(U101-L1): length 2.6
  Top w0.25: L102#3.1 9.2,94.65 8.88,94.33 U101#6.9
Board_0-Net-(U101-L2): length 2.6
  Top w0.25: U101#6.7 8.8,93.33 9.08,93.05 9.07,93.05 L102#3.2
Board_1-3V3: length 142.2
  Top w0.127: 56.5,81.19 56.62,81.19 56.64,81.17 C3#3.1 59.33,81.17 60.7,82.54 U1#6.4 ; 57.5,77.96 57.53,77.99 ; 78.54,92.38 78.25,92.09 ; v1(72.12,92.34) 71.63,91.85 C10#2.2 71.63,90.95
  Top w0.15: 78.22,92.38 78.22,88.04 78.15,87.96
  Top w0.152: 57.26,87.96 58.55,87.96 58.66,87.86 C6#2.1 58.66,86.68 58.73,86.6 Y1#5.4
  Top w0.2: 67.8,87.96 65.25,87.96 ; 67.8,87.96 68.3,87.96 68.3,90.1 69.5,91.3 C11#4.2 69.5,92.33 v1(69.45,92.38) ; 67.8,87.96 70.11,87.96 ; 64.41,87.96 65.25,87.96 ; 64.41,87.96 61.68,87.96 ; 64.41,87.96 64.83,87.96 R12#7.2 ; 65.25,87.96 66.45,87.96 v1(66.45,88.6) 67,89.15 R101#5.2 ; v1(71.91,80.68) 72.51,80.08 R2#4.1 ; 54.12,82.33 54.12,78.74 ; 54.12,82.33 54.12,81.19 C4#7.1 ; 54.12,82.33 54.12,87.96 ; 61.68,87.96 53.19,87.96 52.6,88.55 C2#7.1 ; 61.68,87.96 62.36,87.96 R13#8.2 ; 70.11,87.96 79.3,87.96 83.81,92.47 85.34,92.47 ; 70.11,87.96 70.6,87.96 70.6,90.1 71.54,91.04 71.63,90.95 ; 54.12,78.74 54.12,77.72 54.84,77 v1(55.4,77) ; 54.12,78.74 54.12,78 54.13,77.99 R1#5.1
  Top w0.25: U101#4.6 52.59,91.18 R6#3.1 52.61,89.59 C2#7.1 52.58,89.58
  Bottom w0.127: 72.4,96 72.4,92.62 v1(72.12,92.34) ; v1(69.45,92.38) 70.3,93.23 70.3,96
  Bottom w0.2: v1(66.45,88.6) 67.5,89.65 67.5,96 ; 85.34,92.47 83.08,90.21 83.08,83.71 84.48,82.31 85.34,82.31 ; v1(55.4,77) 61.03,77 63.89,79.86 67.37,79.86 68.19,80.68 v1(71.91,80.68)
Board_1-/BS1: length 5.9
  Top w0.127: R101#5.1 67.85,91.35 68.44,91.94 v1(68.44,92.57)
  Bottom w0.127: v1(68.44,92.57) 68.9,93.03 68.9,96
Board_1-/OLED_RST: length 13.7
  Top w0.127: U1#6.26 67.92,85.01 v1(67.95,84.98)
  Bottom w0.127: 66.8,96 66.8,90.03 65.78,89 65.78,87.98 67.95,85.8 v1(67.95,84.98)
Board_1-/RST: length 38.6
  Top w0.127: v1(79.62,91.39) 79.62,92.32 79.56,92.38 ; C5#4.1 77.88,95.36 v1(78.65,94.59) ; U1#6.6 63.21,80.94 v1(63.31,80.84)
  Bottom w0.127: 79.66,94.23 79.66,93.51 77.14,90.98 77.71,90.98 ; 79.66,94.23 79.01,94.23 v1(78.65,94.59) ; 79.66,94.23 79.66,98.38 ; 77.71,90.98 79.21,90.98 v1(79.62,91.39) ; 77.71,90.98 70.67,90.98 69.34,89.65 69.34,83.03 67.16,80.85 63.32,80.85 v1(63.31,80.84)
Board_1-/SCL: length 19.4
  Top w0.127: v1(63.98,88.74) 63.9,88.82 ; U1#6.19 68.95,80.94 68.28,81.61 v1(68.28,83.1)
  Top w0.152: v1(64.02,92.63) 64.02,91.47 64.09,91.39 64.09,89.62 63.98,89.5 v1(63.98,88.74)
  Bottom w0.127: v1(63.98,88.74) 63.98,86.35 65.65,84.68 67.12,84.68 68.27,83.53 68.27,83.11 v1(68.28,83.1) ; 64,96 64,92.65 v1(64.02,92.63)
  Bottom w0.15: 68.3,83.12 v1(68.28,83.1)
Board_1-/SDA: length 18.3
  Top w0.127: 63.3,89.97 63.39,90.06 ; 61.68,84.88 U1#6.1 63.2,84.94 v1(63.28,84.86)
  Top w0.152: R12#7.1 63.17,89.17 v1(63.29,89.05)
  Bottom w0.127: 63.3,91.95 63.3,96 ; 63.3,91.95 63.03,91.95 62.6,92.38 62.6,96 ; 63.3,91.95 63.3,89.06 v1(63.29,89.05) ; 63.3,89.09 63.28,89.07 v1(63.28,84.86)
  Bottom w0.15: v1(63.28,84.86) 63.29,84.85
Board_1-/SW1: length 36.8
  Top w0.127: R1#5.2 60.84,76.01 66.31,76.01 66.32,76 ; 66.32,76 66.32,65.46 64.06,63.2 SW1#5.2 ; 66.32,76 U1#6.13
Board_1-/SW2: length 21.2
  Top w0.127: 67.92,76.05 67.92,65.78 SW2.2 ; 67.92,76.05 U1#6.15 ; 67.92,76.05 67.95,76.08 69.11,76.08 71.01,77.99 R2#4.2
